# KiCad board polyPath.kicad_pcb (continued)
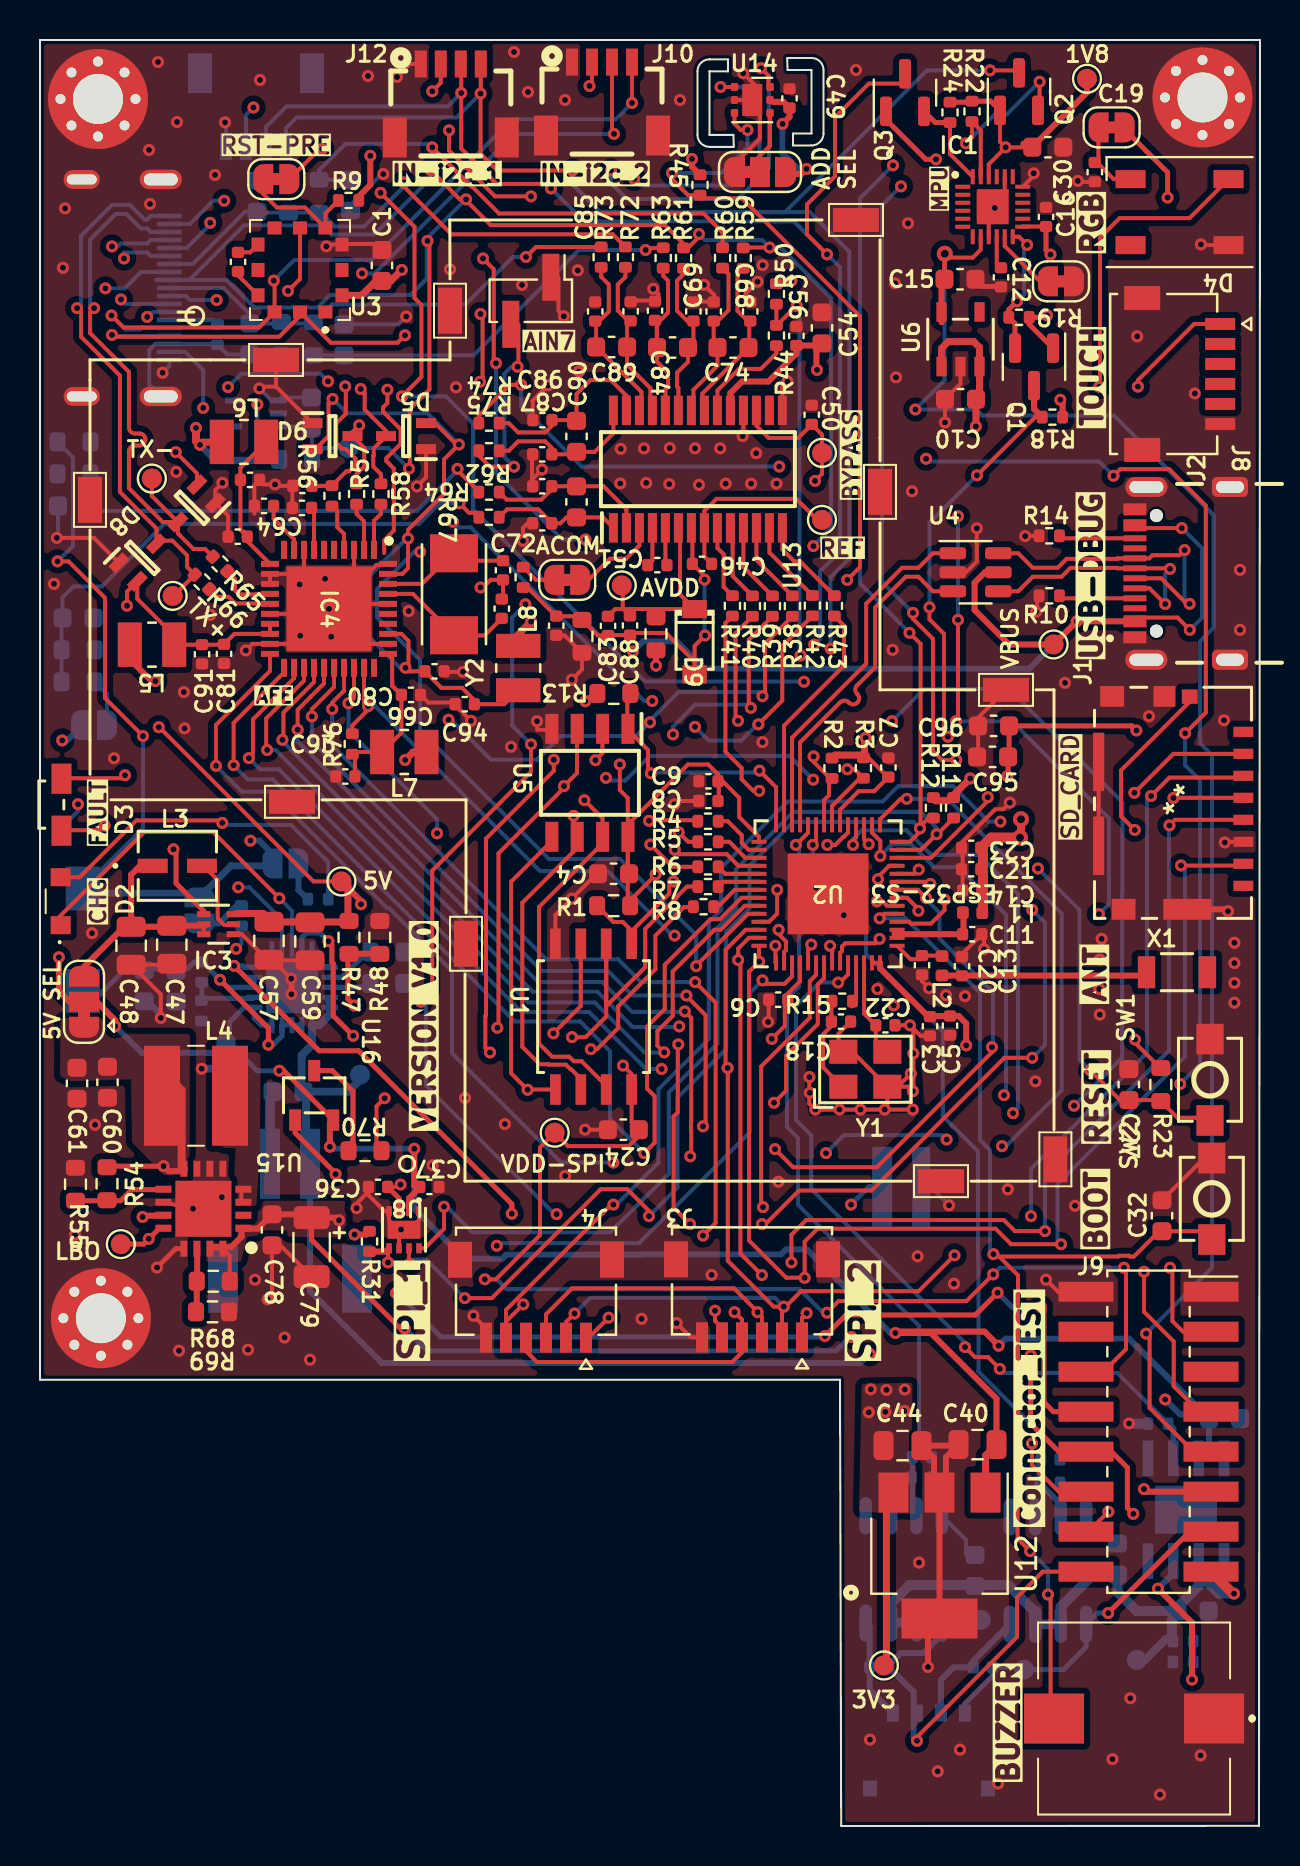
[diagram p0: board, top side]
## Routing (per net, layer and track width the routed paths; a pad name or vN(x,y) marks a point on that pad's centre or on a via; arc(x,y) is an arc through that point) (continued)
  Bottom w0.2: v1(32.81,43) 32.81,44.55 29,48.36 25.44,48.36 19,54.8 19,58.3 16.85,60.45 16.85,61.86 18.71,63.72 v1(19.01,63.72)
/GPIO-ICM-INT_1.8V: length 6.6
  Top w0.2: v1(49.36,79.07) 48.95,79.48 IC1.12
  Top w0.25: Q1.2 48.75,75.14 R19.2 48.44,75.84 v1(48.85,76.25)
  Bottom w0.2: v1(48.85,76.25) 49.2,76.6 49.2,78.92 v1(49.36,79.07)
/GPIO-INT-ICM: length 35.1
  Top w0.2: v1(41.98,44.37) 41.76,44.15 40.26,44.15 40.1,43.98 40.1,43.77 40,43.67 U2.51 ; v1(45.39,54.47) 45.2,54.67 45.2,59.62 44.47,60.34 v1(44.47,60.94) ; R18.2 49.76,70.46 v1(46.85,67.55)
  Top w0.3: R18.2 49.7,70.87 Q1.3
  In2.Cu w0.2: v1(45.39,54.47) 45,54.08 45,51.87 43.41,50.28 43.41,46 43.39,45.99 43.39,45.75 42.01,44.37 v1(41.98,44.37)
  Bottom w0.2: v1(46.85,67.55) 44.47,65.17 v1(44.47,60.94)
/GPIO-LED_ALM: length 46.9
  Top w0.2: IC4.22 12.7,57.4 10.65,55.34 10.65,53.61 v1(10.44,53.41) ; U2.49 39.2,42.4 38.89,42.09 38.89,40.11 37.3,38.52 37.3,36.77 v1(36.7,36.17)
  In2.Cu w0.2: v1(31.08,37.86) 32.59,36.35 36.52,36.35 v1(36.7,36.17)
  Bottom w0.2: v1(10.44,53.41) 11,52.85 11.94,52.85 24.08,40.71 27.46,40.71 30.31,37.86 v1(31.08,37.86)
/GPIO-motor: length 40
  Top w0.2: v1(38.64,49.07) 38.8,49.23 U2.23
  Bottom w0.2: 49.98,18.24 50.2,18.46 50.2,19.45 46.92,22.73 46.92,28.48 46.9,28.5 46.9,33.75 45.14,35.51 45.14,39.75 41.3,43.59 41.3,45.86 38.64,48.52 v1(38.64,49.07)
  Bottom w0.3: 49.98,18.24 49.98,17.26 49.96,17.24 49.96,17.17 51.03,16.09 U9.7
/GPIO-PD_ALM: length 41.2
  Top w0.2: IC4.23 13.2,57.28 11.31,55.39 11.31,53.86 v1(11.36,53.81) ; v1(31.21,38.69) 30.87,39.03 30.87,39.75 31.64,40.52 31.64,42.74 33.72,44.82 34.04,44.82 35.24,46.02 U2.37
  Bottom w0.2: v1(31.21,38.69) 30.23,38.69 27.73,41.19 24.4,41.19 11.78,53.81 v1(11.36,53.81)
/GPIO-RESET-PRESSURE : length 6.2
  Top w0.2: JP1.2 11.17,81.62 11.84,80.94 13.25,80.94 U3.9 14.27,80.65 R9.1
/GPIO-sensor: length 2.5
  Bottom w0.2: R53.1 8.65,75.32 HDMI1.14
/GPIO-SPI3-CS1-AFE: length 82.6
  Top w0.2: v1(32.76,42.2) 33.78,41.18 33.78,30.16 v1(33.15,29.53) ; U2.15 42,50.34 43.03,51.37 v1(43.34,51.37) ; IC4.27 15.2,56.78 14.61,56.19 v1(14.61,55.86)
  In2.Cu w0.2: v1(48.1,34) 46.4,32.3 40.37,32.3 38.53,30.46 37.43,30.46 36.32,29.35 33.33,29.35 v1(33.15,29.53)
  Bottom w0.2: v1(48.1,34) 48.3,34 51.08,36.78 51.08,45.64 45.93,50.79 45.93,50.81 45.37,51.37 v1(43.34,51.37) ; v1(32.76,42.2) 30.06,42.2 28.91,43.35 25.3,43.35 14.61,54.04 v1(14.61,55.86)
/GPIO-Touch1: length 35.6
  Top w0.2: J8.1 57.71,75.12 54.89,72.3 v1(54.89,71.99) ; v1(47.39,51.45) 47.39,51.26 44.55,48.42 U2.12
  In2.Cu w0.2: v1(47.39,51.45) 47.39,58.28 46.85,58.82 46.85,63.65 54.89,71.69 v1(54.89,71.99)
/GPIO-valve: length 38.1
  Top w0.2: U2.24 38.4,49.67 v1(37.79,49.07)
  Bottom w0.2: v1(37.79,49.07) 37.95,48.91 37.95,41.98 37.35,41.38 37.35,34.96 37.9,34.41 37.9,31.07 43.95,25.02 43.95,18.77 C42.1
  Bottom w0.25: U10.7 43.62,15.72 C42.1
/GPIO_ALRT-Gauge: length 32.9
  Top w0.2: v1(36.12,42.29) 36.3,42.11 37.23,42.11 37.6,42.49 U2.45 ; v1(17.4,28.18) 17.4,28.84 U8.5
  Top w0.3: U8.5 17.28,28.72 R31.2
  In2.Cu w0.2: v1(17.4,28.18) 18.36,29.14 22.72,29.14 v1(22.84,29.02)
  Bottom w0.2: v1(22.84,29.02) 22.97,29.15 29.95,29.15 35.49,34.69 35.49,41.66 v1(36.12,42.29)
/IN7: length 10
  Top w0.2: v1(23.88,72.98) 23.92,73.02 23.92,75.09 ; R75.2 21.94,68.54 22.5,67.98 v1(23.7,67.98)
  Bottom w0.2: v1(23.7,67.98) 23.22,68.46 23.22,72.62 23.58,72.98 v1(23.88,72.98)
/IN+: length 26.3
  Top w0.2: R57.2 15.83,67.6 16.21,67.99 16.21,68.69 16.24,68.72 16.24,68.9 D6.3 ; 15.63,69.72 v1(15.96,70.05)
  In2.Cu w0.2: v1(3.6,79) 12.76,79 16.68,75.07 16.68,71.43 15.96,70.71 v1(15.96,70.05)
  Bottom w0.2: HDMI1.4 5.53,79.32 5.36,79.15 4.03,79.15 3.88,79 v1(3.6,79)
/IN-: length 26.3
  Top w0.2: R58.2 17.05,67.6 16.66,67.99 16.66,68.52 16.69,68.55 16.69,68.9 D5.3 ; v1(16.03,71.87) 16.23,71.67 16.23,70.84 17.3,69.77
  In2.Cu w0.2: v1(16.03,71.87) 16.24,72.07 16.24,74.86 16.23,74.87 16.23,74.88 14.87,76.25 arc(14.66,76.34) 14.44,76.25 14.16,75.97 arc(13.95,75.88) 13.74,75.97 arc(13.65,76.18) 13.74,76.39 14.02,76.67 arc(14.11,76.88) 14.02,77.1 12.57,78.55 4.35,78.55 v1(4.2,78.39)
  Bottom w0.2: HDMI1.6 5.53,78.52 5.36,78.7 4.22,78.7 4.2,78.68 v1(4.2,78.39)
/IO0_BOOT: length 56.6
  Top w0.2: v1(41.98,45.39) 42.21,45.62 U2.5 ; v1(49.51,13.74) 48.88,14.37 48.88,19.38 48.9,19.4 48.9,27.54 47.84,28.6 v1(47.67,28.6) 47.79,28.48 53.91,28.48 53.95,28.52 54.45,28.52 54.49,28.48 54.7,28.48 55.96,29.75 58.18,29.75 ; 50.25,5.42 50.53,5.7 50.53,11.45 v1(50.4,11.58)
  Bottom w0.2: v1(49.51,13.74) 50.4,12.85 v1(50.4,11.58) ; v1(41.98,45.39) 43.28,45.39 47,41.67 47,34.3 47.5,33.8 47.5,28.77 v1(47.67,28.6)
/IO8_SDA1: length 159.1
  Top w0.2: U8.8 19.23,28.89 20.2,29.86 v1(20.2,30.97) ; v1(28.7,84.62) 28.6,84.72 J10.3 ; R11.2 44.87,49.6 v1(44.83,49.6) 44.05,48.82 U2.13 ; v1(18.25,74.55) 17.88,74.18 14.54,74.18 U3.2 13,75.52 11.96,74.48 3.69,74.48 v1(3.6,74.57) ; v1(36.05,87.91) 36.41,87.55 36.41,87.06 36.59,86.88 ; v1(45.82,53.31) 45.1,53.31 44.65,53.76 44.65,59.37 43.65,60.37 v1(43.65,60.67)
  In2.Cu w0.2: v1(45.82,53.31) 45.82,50.42 45,49.6 v1(44.83,49.6) ; v1(18.25,74.55) 17.65,75.15 17.65,75.49 16.1,77.04 v1(16.1,77.65) ; v1(28.7,84.62) 28.7,84.62 28.7,82.94 v1(28.55,82.8) 28.55,82.05 29.77,80.83 41.88,80.83 v1(43.05,82)
  Bottom w0.2: v1(44.83,49.6) 44.83,49.91 44.02,50.72 37.67,50.72 34.81,47.86 34.81,45.85 33.87,44.91 33.87,39.12 31.44,36.69 31.44,32.62 28.51,29.69 21.62,29.69 20.34,30.97 v1(20.2,30.97) ; v1(28.7,84.62) 23.71,84.62 16.74,77.65 v1(16.1,77.65) ; v1(28.55,82.8) 28.55,82.16 29.34,81.37 34.89,81.37 36.45,82.93 36.45,87.51 v1(36.05,87.91) ; v1(3.6,74.57) 3.65,74.52 6.46,74.52 HDMI1.16 ; v1(43.05,82) 42.1,81.05 42.1,62.22 v1(43.65,60.67)
/IO9_SCL1: length 151
  Top w0.2: U8.7 18.45,28.17 v1(18.5,28.12) ; v1(34.03,86.97) 34.77,86.97 ; U2.14 43.49,49.22 44,49.73 v1(44,49.89) ; v1(44,49.89) 44,49.98 44.53,50.51 ; v1(44,49.89) 44.03,49.92 44.03,59.11 v1(43.47,59.67) ; v1(11.69,77.29) 11.73,77.25 U3.3 10.95,74.94 5.14,74.94 5.14,74.94 4.17,74.94 v1(3.58,75.55) ; v1(29.6,86.17) J10.4 ; v1(30.45,30.5) 30.45,30.76 29.36,31.85 28.04,31.85 22.59,26.4 v1(21.24,26.4)
  In2.Cu w0.2: v1(42.65,83.05) 40.99,81.39 30.69,81.39 v1(29.71,82.37) 29.71,82.61 29.6,82.72 v1(29.6,86.17)
  Bottom w0.2: v1(43.47,59.67) 41,62.14 41,81.4 v1(42.65,83.05) ; v1(18.5,28.12) 18.71,28.33 19.31,28.33 v1(21.24,26.4) ; v1(30.45,30.5) 31.88,31.93 31.88,36.42 34.31,38.85 34.31,44.72 35.47,45.88 35.47,48.02 37.67,50.22 43.67,50.22 v1(44,49.89) ; v1(11.69,77.29) 12.72,78.32 16.57,78.32 23.61,85.36 28.79,85.36 v1(29.6,86.17) ; HDMI1.15 5.1,74.92 5.03,74.84 4.28,74.84 v1(3.58,75.55) ; v1(29.71,82.37) 30.04,82.05 34.62,82.05 35.97,83.4 35.97,86.08 35.08,86.97 v1(34.03,86.97)
/IO10_VBAT: length 27.1
  Top w0.2: 21.8,65.67 21.45,65.67 v1(20.97,66.15)
  Bottom w0.2: R29.2 1.08,60.37 C31.1 1.12,61.44 1.67,62 3.1,62 6.22,65.12 18.95,65.12 19.98,66.15 v1(20.97,66.15)
/IO11_SPI3-MOSI: length 71
  Top w0.2: v1(33.15,34.99) 33.28,35.12 33.28,40.55 32.32,41.51 v1(32.32,41.53) ; v1(42.02,48.51) 42.02,49.26 41.6,49.67 U2.16 ; v1(13.59,55.49) 13.59,55.85 14.7,56.96 IC4.26
  In2.Cu w0.2: v1(48.2,36.55) 47.75,36.55 45.53,34.33 v1(45.33,34.33) ; v1(39.3,33.65) 37.9,33.65 36.45,35.1 33.26,35.1 v1(33.15,34.99)
  Bottom w0.2: v1(48.2,36.55) 48.3,36.65 48.3,45.57 45.92,47.95 44.71,47.95 43.56,49.1 42.61,49.1 v1(42.02,48.51) ; v1(45.33,34.33) 45.11,34.55 40.2,34.55 v1(39.3,33.65) ; v1(32.32,41.53) 29.63,41.53 28.41,42.76 25.08,42.76 13.59,54.24 v1(13.59,55.49)
/IO12_SPI3-CLK: length 50.5
  Top w0.2: v1(41.43,49.1) 41.2,49.33 U2.17 ; v1(12.12,54.32) 12.17,54.37 12.17,55.68 13.7,57.21 IC4.24
  In2.Cu w0.2: v1(31.96,39.99) 31.96,39.89 32.71,39.14 32.71,37.97 33.35,37.33 34.11,37.33 34.13,37.31 34.92,37.31 35.31,37.7 35.31,40.21 37.86,42.76 37.86,44.27 41.23,47.64 41.23,48.9 v1(41.43,49.1)
  Bottom w0.2: v1(31.96,39.99) 31.93,39.95 29.64,39.95 27.87,41.72 24.64,41.72 12.12,54.24 v1(12.12,54.32)
/IO13_SPI3-MISO: length 76.3
  Top w0.2: v1(32.24,40.74) 32.56,40.42 32.56,35.25 32.55,35.24 32.55,34.74 32.56,34.73 32.56,33.54 v1(32.51,33.49) ; v1(40.65,49.07) 40.65,49.29 40.8,49.44 U2.18 ; v1(12.88,54.83) 12.88,55.82 13.54,56.48 13.54,56.48 14.08,57.02 14.08,57.02 14.2,57.14 IC4.25
  In2.Cu w0.2: v1(48.65,35.65) 48.65,35.47 46.18,33 33,33 v1(32.51,33.49)
  Bottom w0.2: v1(40.65,49.07) 40.65,49.36 41.09,49.8 43.33,49.8 44.56,48.57 46.94,48.57 48.9,46.61 48.9,35.9 v1(48.65,35.65) ; v1(32.24,40.74) 32.22,40.72 29.61,40.72 28.12,42.2 24.92,42.2 12.88,54.24 v1(12.88,54.83)
/IO15_SCL2: length 82.9
  Top w0.2: Q2.3 48.82,87.8 v1(47.5,87.8) ; U2.21 39.6,51.01 40.93,52.34 41.23,52.34 ; v1(26.62,82.8) 22.86,82.8 22.03,83.63 v1(22.03,86.64) 22.04,86.65 J12.4 ; v1(40.37,52.85) 40.72,52.85 R3.2
  In2.Cu w0.2: v1(39.53,58.88) 40.37,58.05 v1(40.37,52.85)
  Bottom w0.2: v1(26.62,82.8) 26.62,82.11 28.02,80.71 36.45,80.71 ; v1(39.53,58.88) 39.53,58.88 39.53,62.46 40.47,63.4 40.47,78.73 38.49,80.71 36.45,80.71 ; J11.4 12.3,84.91 12.84,85.45 20.84,85.45 v1(22.03,86.64) ; 36.45,80.71 37.26,80.71 44.35,87.8 v1(47.5,87.8)
/IO16_SDA2: length 81.6
  Top w0.2: v1(38.68,53.49) 38.68,53.22 39.51,52.39 R2.2 39.45,52.24 39.45,51.55 39.2,51.3 U2.22 ; v1(39.35,78.6) 38.35,79.6 38.35,81.1 39.75,82.5 39.75,85.45 41.44,87.14 43.3,87.14 ; v1(25.55,81.9) 25.32,82.12 22.84,82.12 21.06,83.9 v1(21.06,86.67) 21.06,88.31 21.1,88.35
  In2.Cu w0.2: v1(38.71,59.08) 38.93,58.86 38.93,53.74 v1(38.68,53.49)
  Bottom w0.2: 36.76,80.25 27.2,80.25 v1(25.55,81.9) ; 36.76,80.25 37.7,80.25 ; 36.76,80.25 36.76,80.25 37.7,80.25 ; 11.3,84.3 11.3,84.97 12.33,86 20.39,86 v1(21.06,86.67) ; 37.7,80.25 40,77.95 40,63.75 39,62.75 39,59.37 v1(38.71,59.08) ; 37.7,80.25 v1(39.35,78.6)
/IO33_VUSB: length 24.1
  Top w0.2: 21.8,66.87 20.88,67.8 v1(20.88,67.87)
  Bottom w0.2: v1(20.88,67.87) 20.88,67.8 18.85,65.77 2.7,65.77 C28.1 2.53,66.09 R25.2
/IO35_SPI2-MOSI: length 149.2
  Top w0.2: 26.3,24.12 26.3,25.2 v1(26.73,25.63) ; v1(55.55,51.51) 56.47,52.43 60.13,52.43 ; v1(37.19,25.97) 36.68,25.97 34.39,28.27 34.39,37.9 v1(34.38,37.91) 34.28,38.01 34.28,43.82 35.28,44.82 U2.40 ; v1(37.19,25.97) 37.1,25.88 J3.2 ; v1(37.19,25.97) 37.28,25.97 38.05,26.75 43.93,26.75 v1(45.72,28.54) ; v1(36.12,56.5) 36.25,56.63 36.25,59.13 R38.1
  In2.Cu w0.2: v1(20.43,55.32) 19.51,55.32 16.53,58.3 16.53,63.16 11.7,67.99 11.7,73.45 v1(8.83,76.32) ; v1(49.55,30.5) 46.82,30.5 45.72,29.4 v1(45.72,28.54) ; v1(30.5,55.2) 30.95,54.75 30.95,53.09 33.66,50.38 33.66,38.63 v1(34.38,37.91)
  Bottom w0.2: v1(49.55,30.5) 49.55,32.87 55.35,38.67 55.35,51.31 v1(55.55,51.51) ; v1(20.43,55.32) 20.55,55.32 22.55,53.33 24.85,53.33 26.03,54.51 29.81,54.51 v1(30.5,55.2) 30.5,55.29 31.92,56.71 35.92,56.71 v1(36.12,56.5) ; v1(8.83,76.32) 7.49,76.32 7.29,76.52 HDMI1.11 ; v1(26.73,25.63) 27.51,26.41 36.75,26.41 v1(37.19,25.97)
/IO36_SPI2-CLK: length 145.7
  Top w0.2: v1(22.15,78.4) 22.69,77.86 22.69,73.27 v1(22.8,73.15) ; v1(36.09,27.55) 35.02,28.63 35.02,43.2 v1(34.91,43.31) 34.91,43.88 35.45,44.42 U2.41 ; R39.1 35.44,59.32 35.44,56.02 v1(35.54,55.92) ; v1(37.57,28.18) 37.57,29.57 38.31,30.3 48.2,30.3 48.75,29.75 v1(50.25,29.75) ; 24.3,24.12 24.3,23.75 24.85,23.21 34.62,23.21 35.1,23.69 J3.4 35.1,25.33 v1(34.73,25.7) ; v1(56.47,50.04) 56.75,50.32 60.04,50.32 60.13,50.23
  In2.Cu w0.2: v1(34.73,25.7) 34.73,26.19 v1(36.09,27.55) 36.72,28.18 v1(37.57,28.18) ; v1(34.91,43.31) 34.29,43.93 34.29,50.82 31.65,53.46 v1(31.65,54.59) ; v1(22.15,78.4) 20.29,80.25 8.58,80.25 v1(8.51,80.18) 8.41,80.08 ; v1(35.54,55.92) 35.54,56.1 27.3,64.34 v1(27.27,64.34)
  Bottom w0.2: v1(8.51,80.18) 8.51,80.1 7.33,78.92 HDMI1.5 ; v1(22.8,73.15) 22.8,67.66 26.12,64.34 v1(27.27,64.34) ; v1(31.65,54.59) 31.65,54.98 32.75,56.08 35.38,56.08 v1(35.54,55.92) ; v1(56.47,50.04) 56.45,50.02 56.45,38.78 50.25,32.58 v1(50.25,29.75)
/IO37_SPI2-MISO: length 147.5
  Top w0.2: v1(51.05,29.1) 48.55,29.1 47.78,29.87 38.88,29.87 38.23,29.23 v1(38.23,27.41) 38.22,27.42 37.31,27.42 35.45,29.28 35.45,42.72 v1(35.96,43.23) 35.95,43.24 U2.42 ; J3.3 36.1,25.47 35.77,25.81 35.77,25.83 34.7,26.89 26.6,26.89 25.3,25.59 25.3,24.12 ; R42.2 37.11,59.01 37.11,56.29 v1(35.92,55.09) ; v1(57.05,48.04) 57.06,48.03 59.89,48.03
  In2.Cu w0.2: v1(35.96,43.23) 35.75,43.44 35.75,43.55 34.83,44.47 34.83,51.35 32.75,53.43 v1(32.75,54.97) 32.2,54.97 30.91,56.26 v1(30.61,56.26) ; v1(20.65,65.22) 16.48,65.22 13.29,68.41 13.29,71.15 v1(14.4,72.25) ; v1(35.88,25.7) 35.88,25.85 37.44,27.41 v1(38.23,27.41) ; v1(9.4,71.96) 9.51,72.07 9.51,74.42 6.92,77.01 3.38,77.01 v1(3.27,76.9)
  Bottom w0.2: v1(9.4,71.96) 10.07,72.63 14.02,72.63 v1(14.4,72.25) ; v1(30.61,56.26) 30.22,56.26 21.53,64.95 20.92,64.95 v1(20.65,65.22) ; v1(35.92,55.09) 35.87,55.09 35.06,54.28 33.44,54.28 v1(32.75,54.97) ; v1(3.27,76.9) 4.24,76.9 5.06,77.72 HDMI1.8 ; v1(51.05,29.1) 50.88,29.27 50.88,32.11 57.25,38.48 57.25,47.84 v1(57.05,48.04)
/LBO: length 71.8
  Top w0.25: U16.1 12.76,34.66 14.78,32.64 v1(14.78,32.6) ; v1(39.25,24.5) 40.3,25.55 46.76,25.55 v1(47.88,26.67) ; TP12.1 5.18,29.1 v1(5.44,29.36) 5.95,29.88 6.29,29.88 ; J9.8 50.67,20.72 50.19,21.2 50.19,25.81 v1(50.05,25.95)
  In2.Cu w0.25: v1(17.8,26.65) 15.94,28.51 6.88,28.51 6.03,29.36 v1(5.44,29.36) 6,29.92 8.9,29.92 11.5,32.52 14.7,32.52 v1(14.78,32.6)
  Bottom w0.25: v1(17.8,26.65) 17.86,26.65 20.05,24.46 39.21,24.46 v1(39.25,24.5) ; v1(47.88,26.67) 48.6,25.95 v1(50.05,25.95)
/LD02-EN: length 38
  Top w0.2: U2.52 40.4,42.59 39.99,42.18 v1(39.91,42.18) ; v1(47.99,22.86) 47.4,23.45 46.75,23.45 v1(46.25,23.95)
  Bottom w0.2: v1(39.91,42.18) 38.98,42.18 37.8,41 37.8,35.31 38.56,34.55 38.56,31.86 46.25,24.17 v1(46.25,23.95) ; R35.1 53.87,22.66 48.19,22.66 v1(47.99,22.86)
  Bottom w0.3: U11.2 56.66,19.86 R35.1
/LED_DRV_SUP: length 21.9
  Top w0.2: D8.2 7.85,67.65 v1(6.79,68.71) ; IC4.17 IC4.18 9.72,59.62 C81.2 9.18,59.08 L5.1 6.71,59.53 4.87,61.37 D10.2 4.35,61.73 v1(4.35,61.03)
  In2.Cu w0.2: v1(4.35,61.03) 4.3,61.08 4.3,66.55 6.46,68.71 v1(6.79,68.71)
/LNA_IN: length 2.4
  Top w0.2: C13.2 45.07,43.53 L2.1 ; 44,43.37 43.98,43.35 43.52,43.35 U2.1
/N+: length 2.4
  Top w0.2: R57.1 15.83,65.62 16.2,65.25 IC4.2
/N-: length 2.4
  Top w0.2: R58.1 17.05,65.62 16.7,65.28 IC4.1
/NTC0: length 26.7
  Top w0.2: v1(18.19,82.2) 18.19,81.99 20.58,79.6 28.64,79.6 R72.2
  Bottom w0.2: HDMI1.7 7.64,78.12 10.25,80.73 C58.1 10.9,80.68 R52.1 R51.2 14.18,80.45 14.28,80.45 14.74,79.99 16.19,79.99 18.19,81.99 v1(18.19,82.2)
/NTC0F: length 25.4
  Top w0.2: 34.11,78.91 R60.2 34.13,79.69 33.18,80.64 22.96,80.64 21.6,82 21.56,82 v1(19.61,83.95)
  Bottom w0.2: C53.1 R51.1 13.95,82.81 15.27,84.13 19.44,84.13 v1(19.61,83.95)
/NTC1: length 24.2
  Top w0.2: v1(24.3,78.47) 24.79,78.96 28.05,78.96 R73.2
  Bottom w0.2: 12.07,75.36 R49.1 ; v1(24.3,78.47) 23.65,78.47 21.28,76.09 14.6,76.09 13.99,75.48 13.96,75.48 R46.2 ; HDMI1.10 9.17,76.92 10.49,75.59 C55.1 13.62,75.14
/NTC1F: length 19.9
  Top w0.2: v1(30.28,78.82) 30.37,78.91 31.32,78.91
  Bottom w0.2: 13.47,73.72 13.49,73.7 ; R46.1 15.2,73.55 ; v1(30.28,78.82) 26.95,78.82 21.68,73.55 C52.1
/RESET: length 26.7
  Top w0.2: 58.5,35.42 56.88,35.42 R23.2 55.99,36.31 54,36.31 v1(52.51,37.8) ; U2.4 43.46,45.22 43.55,45.13 44.55,45.13 45.23,45.81 v1(45.23,46.33)
  In2.Cu w0.2: v1(49.9,47.89) 48.46,46.45 45.35,46.45 v1(45.23,46.33)
  Bottom w0.2: v1(49.9,47.89) 51.97,45.81 51.97,38.33 v1(52.51,37.8)
/RX_ANA_SUP: length 38.7
  Top w0.2: IC4.39 18.12,62.62 18.4,62.9 v1(18.4,64.39) 18.4,64.82 20.2,66.62 20.2,68.35 v1(20.94,69.09) 20.82,69.09 19.75,70.16 D5.2 ; IC4.33 18.07,59.62 18.43,59.27 18.43,58.07 v1(18.28,57.92) 18.45,57.75 C66.2 20.07,56.92 21.1,56.92 21.72,56.3 C94.2 23.21,56.1 L8.1 ; D6.2 13.77,68.86 14.43,69.52 14.43,71.17 v1(14.63,71.37) ; 23.7,56.4 23.7,56.67
  Bottom w0.2: v1(18.28,57.92) 18.01,57.92 16.25,59.68 16.25,62.31 18.34,64.39 v1(18.4,64.39) ; v1(20.94,69.09) 19.38,70.65 15.35,70.65 v1(14.63,71.37)
/RX_DIG_SUP: length 9
  Top w0.2: 17.61,57.32 17.61,57.03 C80.2 ; 17.61,57.32 17.61,57.03 18.07,56.56 18.07,54.67 L7.1 15.73,53.71 R76.1 ; 17.61,57.32 17.61,58.41 IC4.31 ; C93.2 15.75,53.47
/SCK/SCL_1.8V: length 11
  Top w0.2: v1(49.98,87.23) 49.98,85.88 Q2.2 ; 47.04,82.95 IC1.23 47.04,84.8 R22.2 46.6,84.45 v1(46.3,84.15)
  Bottom w0.2: v1(46.3,84.15) 47.75,85.6 48.35,85.6 v1(49.98,87.23)
/SDI/SDA_1.8V: length 4.7
  Top w0.2: R24.2 45.5,83.62 IC1.24
  Top w0.25: Q3.2 44.76,85.19 R24.2
/SPI2-CS2-SD: length 20
  Top w0.2: J1.P2 56.67,53.62 v1(54.72,51.67) ; U2.9 44.41,47.22 v1(44.52,47.12)
  In2.Cu w0.2: v1(54.72,51.67) 51.58,48.53 46.51,48.53 45.1,47.12 v1(44.52,47.12)
/SPI2-CS3-ADS: length 18.8
  Top w0.2: U2.44 37.2,43.71 37.3,43.8 37.3,44.24 36.93,44.61 v1(36.93,44.82) 36.93,44.79 ; R40.2 34.78,59.66 34.78,55.39 v1(34.9,55.27)
  In2.Cu w0.2: v1(34.9,55.27) 35.23,54.94 35.23,46.52 v1(36.93,44.82)
/SPI2-CS4-CONN: length 64.5
  Top w0.2: J4.5 23.3,25.23 v1(24.16,26.09) ; U2.10 43.73,47.62 v1(43.94,47.83) ; v1(28.67,31.08) 28.57,31.08 23.3,25.81 23.3,24.12 ; v1(33.75,25.77) 33.75,25.26 34.1,24.91 J3.5 ; 34.1,24.59 34.17,24.65
  In2.Cu w0.2: v1(24.16,26.09) 24.39,26.32 33.2,26.32 v1(33.75,25.77) ; v1(43.94,47.83) 46.34,50.23 v1(48.02,50.23)
  Bottom w0.2: v1(28.67,31.08) 28.83,31.08 30.92,33.17 30.92,36.85 33.44,39.37 33.44,45.19 34.06,45.81 34.06,47.91 37.38,51.23 42.14,51.23 42.91,52 45.66,52 47.43,50.23 v1(48.02,50.23)
/SPI2-CS5-HDMI: length 65.8
  Top w0.2: v1(41.9,47.35) 41.9,47.46 42.46,48.02 U2.11 ; v1(17.03,81.67) 18.72,79.98 18.72,76.42 19.07,76.07 19.07,72.47 v1(18.1,71.5)
  In2.Cu w0.2: v1(9.21,81.28) 9.67,81.74 16.97,81.74 v1(17.03,81.67) ; v1(38.2,57.23) 38.05,57.08 38.05,51.93 39.77,50.22 41.73,50.22 42.62,49.33 42.62,48.07 v1(41.9,47.35)
  Bottom w0.2: v1(9.21,81.28) 8.66,81.28 7.5,80.12 HDMI1.2 ; v1(38.2,57.23) 38.19,57.24 30.25,57.24 21.66,65.83 21.66,70.13 20.29,71.5 v1(18.1,71.5)
/SPICLK: length 24
  Top w0.2: R6.1 31.63,47.97 v1(30.52,49.09) ; U1.6 27.04,37.36 26.56,37.85 26.52,37.85 26.29,38.07 25.44,38.07 25.41,38.1 24.98,38.1 24.11,38.97 24.11,46.17 26.68,48.74 v1(26.68,50.52)
  In2.Cu w0.2: v1(30.52,49.09) 29.08,50.52 v1(26.68,50.52)
/SPICS0: length 13.4
  Top w0.2: v1(31.74,48.82) 31.96,48.6 34.34,48.6 34.92,48.02 U2.32 ; U1.1 29.58,44.77 29.14,45.21 28.67,45.21 R1.1 ; U1.1 29.58,44.53 ; U1.1 29.58,44.75 31.46,46.63 31.46,47.03 v1(31.67,47.24)
  In2.Cu w0.2: v1(31.67,47.24) 31.74,47.31 v1(31.74,48.82)
/SPICS1: length 13.2
  Top w0.2: U2.28 36.8,51.95 v1(35.97,52.78) ; 29.87,56.65 29.37,56.15 29.37,54.85 30.4,53.81 30.4,52.79 v1(30.55,52.64)
  Bottom w0.2: v1(30.55,52.64) 30.58,52.68 35.87,52.68 v1(35.97,52.78)
/SPID: length 29.1
  Top w0.2: 25.58,49.42 25.58,49.25 23.56,47.23 23.56,37.64 v1(24.38,36.82) 24.39,36.83 U1.5 ; v1(27.54,38.85) 27.85,38.85 28.91,39.91 28.91,40.99 30.77,42.85 30.77,44.53 32.19,45.95 32.85,45.95
  In2.Cu w0.2: v1(24.38,36.82) 25.6,36.82 27.54,38.76 v1(27.54,38.85)
/SPIHD: length 24.3
  Top w0.2: v1(30.45,50.27) 30.48,50.3 32.84,50.3 R4.1 ; U1.7 28.31,37.02 27.08,38.25 26.69,38.25 26.46,38.47 25.61,38.47 24.95,39.13 24.95,45.96 28.13,49.14 U5.7 28.13,50.39 v1(27.22,51.3)
  In2.Cu w0.2: 30.4,50.32 30.15,50.32 29.36,51.11 27.41,51.11 v1(27.22,51.3)
/SPIQ: length 42.5
  Top w0.2: v1(22.5,38.68) 22.27,38.92 22.27,40.52 22.3,40.55 22.3,49.38 25.69,52.77 v1(25.69,53.32) ; v1(26.6,39.45) 27.28,39.45 28.31,40.48 U1.2 ; 28.31,43.47 U1.2 ; U1.2 28.31,41 30.26,42.95 30.26,44.86 31.86,46.46 31.86,46.49 32.35,46.98 32.9,46.98 ; v1(27.77,53.3) 28.12,53.65 28.12,55.23
  In2.Cu w0.2: v1(27.77,53.3) 25.71,53.3 ; v1(26.6,39.45) 25.77,38.62 22.56,38.62 v1(22.5,38.68)
  Bottom w0.2: 25.71,53.3 v1(25.69,53.32)
/SPIWP: length 32.5
  Top w0.2: v1(22.87,39.92) 22.93,39.98 22.93,48.64 26.12,51.84 26.12,51.93 26.85,52.66 26.85,54.82 ; v1(25.67,39.64) 27.04,41.01 U1.3 ; v1(31.93,49.7) 32.41,49.22 R5.1
  In2.Cu w0.2: v1(31.93,49.7) 31.93,49.94 30.2,51.67 28.17,51.67 27.83,52.01 v1(26.2,52.01) ; v1(22.87,39.92) 23.15,39.64 v1(25.67,39.64)
/T+: length 2.9
  Top w0.2: IC4.14 10.82,61.62 ; 10.8,61.59 9.94,61.59 9.75,61.79 9.75,62.37 R65.2
/T-: length 3.3
  Top w0.2: R66.2 8.85,61.47 9.43,61.47 9.76,61.14 10.8,61.14 ; IC4.15 10.82,61.12
/TVM: length 17.4
  Top w0.25: J9.13 57.48,14.72 v1(53.41,10.65)
  Bottom w0.25: J6.1 46.25,6.12 47.62,7.5 C34.2 49.08,7.94 TP4.1 51.17,7.82 52.31,8.95 U9.1 52.86,10.65 v1(53.41,10.65)
/TVV: length 22.8
  Top w0.2: v1(43.85,4.26) 43.85,4.45 48.85,9.45 48.85,11.43 50.14,12.72 J9.16
  Bottom w0.3: 46.75,10.25 46.07,9.58 45.09,9.58 44.17,8.65 43.04,8.65 42.44,8.05 C33.2 43.68,6.7 43.68,4.43 v1(43.85,4.26)
/TX+: length 27.1
  Top w0.2: TP15.1 6.68,61.52 R66.1 7.36,62.96 7.36,63.55 6.62,64.28 5.97,64.28 D10.3 5.82,64.89 4,66.72 4,72.54 2.05,74.48 2.05,75.71 v1(1.86,75.91)
  Bottom w0.2: v1(1.86,75.91) 2.05,76.11 2.06,79.52 3.6,81.07 4.5,81.07 5.22,80.34 5.36,80.34 5.53,80.52 HDMI1.1
/TX-: length 28.1
  Top w0.2: D8.3 6.14,65.21 4.44,66.91 4.44,68.74 arc(4.53,68.95) 4.75,69.04 4.97,69.04 arc(5.18,69.13) 5.27,69.34 arc(5.18,69.55) 4.97,69.64 4.75,69.64 arc(4.53,69.73) 4.44,69.94 4.44,72.72 2.51,74.66 2.51,75.71 v1(2.7,75.91) ; D8.3 6.89,64.65 7.67,63.86 8.26,63.86 R65.1 ; D8.3 5.59,66.51 TP14.1
  Bottom w0.2: v1(2.7,75.91) 2.51,76.11 2.5,79.34 3.79,80.62 4.31,80.62 5.04,79.9 5.36,79.9 5.53,79.72 HDMI1.3
/TX_CTRL_SUP: length 7.3
  Top w0.2: L6.1 10.02,67.93 C92.2 10.02,64.83 C65.2 10.37,64.25 IC4.11 ; 10.2,64.7 10.2,64.73
/USB-C-_D+: length 16
  Top w0.2: U4.6 48.91,63.65 49.63,62.93 50.89,62.93 51.33,63.37 53.86,63.37 53.88,63.4 J2.B6 55.47,63.4 55.62,63.55 56.97,63.55 v1(57.23,63.81) ; J2.A6 56.06,62.4 57.34,61.12 v1(57.48,61.12)
  Bottom w0.2: v1(57.23,63.81) 57.23,61.37 v1(57.48,61.12)
/USB-C-_D-: length 12.2
  Top w0.2: v1(56.26,61.11) 55.47,61.9 55.29,61.9 ; v1(56.5,62.87) 56.47,62.9 J2.A7 53.88,62.9 53.86,62.92 51.52,62.92 51.07,62.48 49.63,62.48 48.91,61.75 U4.4
  Bottom w0.2: v1(56.26,61.11) 56.26,62.63 v1(56.5,62.87)
/USB-VIN: length 108.5
  Top w0.2: v1(57.49,59.82) 56.88,60.43 54.93,60.43 J2.A4_B9 ; v1(5.15,54.51) 3.25,56.41 3.25,61.42 1.42,63.25 v1(0.88,63.25) ; v1(57.09,64.91) 55.28,64.91 55.14,65.05 J2.B4_A9
  Top w0.3: J2.A4_B9 v1(51.84,60.25) 5V1.1 48.45,59.09 46.73,60.81 46.73,62.18 47.25,62.7 U4.5
  In2.Cu w0.3: v1(10.52,49.28) 10.85,48.95 16.34,48.95 26.19,58.8 29.58,58.8 v1(29.65,58.74)
  Bottom w0.2: D1.2 5.15,49.9 v1(5.15,54.51) ; R25.1 1.65,68.44 1.65,64.02 v1(0.88,63.25) ; v1(57.49,59.82) 58.1,60.43 58.1,63.9 v1(57.09,64.91)
  Bottom w0.3: v1(51.84,60.25) 49.47,57.88 33.2,57.88 31.83,59.25 30.15,59.25 v1(29.65,58.74) ; v1(10.52,49.28) 10.97,49.28 11.62,48.62 JP3.1
  Bottom w0.35: 11.85,48.02 9.55,48.02 JP4.1 7.77,46.65 2.92,46.65 2.85,46.58
/usb_D+: length 18
  Top w0.2: U2.26 37.6,54.43 41.31,58.13 41.31,61.13 43.1,62.93 43.92,62.93 44.65,63.65 U4.1
/usb_D-: length 18
  Top w0.2: U4.3 44.65,61.75 43.92,62.48 43.29,62.48 41.76,60.94 41.76,57.95 40.85,57.04 arc(40.77,56.83) 40.85,56.62 40.87,56.6 arc(40.96,56.39) 40.87,56.18 arc(40.66,56.09) 40.44,56.18 40.43,56.19 arc(40.22,56.28) 40.01,56.19 38,54.19 U2.25
/V-BAT-OUT: length 117.4
  Top w0.25: U16.2 12.19,37.77 v1(11.97,37.77)
  Top w0.3: 18.85,31.89 18.9,31.84 ; 18.9,31.84 18.71,32.03 v1(18.71,33.87) ; 18.9,31.84 18.45,31.39 U8.2 ; U16.2 14.49,35.14 v1(14.49,33.97) ; v1(3.76,40) 3.76,40.3 2.84,41.22 JP7.2 1.48,41.22 0.94,41.76 v1(0.94,43.45) ; J9.11 55.33,16.72 v1(55.2,16.85) ; v1(47.93,24.02) 47.22,24.72 42.84,24.72 v1(42.77,24.66) 44.54,24.66 47.82,21.38 C40.1
  Top w0.35: 47.28,16.67 47.28,18.53 C40.1
  In2.Cu w0.3: v1(56.26,21.33) 56.47,21.12 56.47,18.12 v1(55.2,16.85) ; v1(1.11,54.29) 0.94,54.12 v1(0.94,43.45)
  Bottom w0.25: v1(11.97,37.77) 10.85,37.77 9.47,39.14 9.47,39.27 9.33,39.27 ; 9.47,39.47 9.47,40.2 10.22,40.95 U7.1 10.71,40.41 11.06,40.06 U7.20 11.53,39.98
  Bottom w0.3: 58.46,20.59 57,20.59 v1(56.26,21.33) ; 58.46,20.59 58.45,20.58 58.45,18.9 U11.3 ; 58.46,20.59 58.24,20.59 54.45,24.37 48.28,24.37 v1(47.93,24.02) ; v1(3.76,40) 5.09,38.67 8.88,38.67 C29.1 ; v1(42.77,24.66) 42.52,24.66 38.34,28.83 37.3,28.83 37.06,28.59 30.02,28.59 30,28.57 23.31,28.57 23.11,28.37 21.21,28.37 18.71,30.87 v1(18.71,33.87) 14.59,33.87 v1(14.49,33.97) ; 9.47,39.47 9.47,39.27 C29.1 ; v1(1.11,54.29) 1.36,54.29 2.13,55.06 ; C29.1 9.53,39.09 9.64,38.98
/VCM: length 2.4
  Top w0.2: R56.2 14.86,65.75 14.86,64.96 15.2,64.62 IC4.4
/VCM_SHIELD: length 55.5
  Top w0.2: 17.21,63.66 17.21,64.31 17.69,64.79 17.69,67.89 17.32,68.26 17.32,68.41 18.03,69.12 18.03,69.85 17.15,70.73 17.15,70.94 17.37,71.16 v1(17.37,71.83) ; C62.2 14.59,67.02 R56.1 15.32,67.75 15.45,67.75 15.78,68.08 15.78,68.37 15.28,68.87 15.11,68.87 14.81,69.17 14.81,70.15 15.29,70.63 15.29,71.97 v1(15.26,72)
  In2.Cu w0.2: v1(15.26,72) 15.26,72.28 15.83,72.85 15.83,74.63 14.73,75.73 14.47,75.47 13.66,75.47 13.24,75.89 13.24,77.13 12.32,78.05 4.81,78.05 4.51,77.75 3.4,77.75 3,78.15 3,79.24 3.38,79.62 4.97,79.62 5.14,79.45 12.87,79.45 17.22,75.1 17.22,71.98 v1(17.37,71.83)
/VLIPO: length 62.6
  Top w0.2: v1(49.6,19.13) 49.6,18.06 50.94,16.72 J9.12
  In2.Cu w0.2: v1(41.5,23.6) 41.74,23.36 45.94,23.36 49.6,19.7 v1(49.6,19.13)
  Bottom w0.3: v1(41.5,23.6) 41.46,23.6 41.01,23.15 17.09,23.15 13.5,26.75 J5.1
  Bottom w0.4: C26.1 13.3,36.59 13.3,33.68 ; C26.1 15.4,36.72 16.22,37.55 ; C26.1 13.09,36.81 13.09,38.55 13.6,39.06 U7.16 13.96,40.06 14.49,40.59 U7.15 14.49,41.25 14.45,41.29
/XTAL_N: length 2.3
  Top w0.2: 40.59,40.99 40.8,41.2 U2.53
/XTAL_P: length 5
  Top w0.2: 42.35,38.69 41.79,39.25 C22.2 41.2,40.63 U2.54
Net-(C18-Pad2): length 4.6
  Top w0.2: 39.57,40.99 39.57,40.01 39.16,39.59 39.16,37.94 40.16,36.94
Net-(C20-Pad2): length 10.3
  Top w0.3: 55.38,42.55 55.36,42.53 45.1,42.53 L2.2
Net-(D1-C): length 28.2
  Top w0.254: v1(11.42,39.07) 11.42,39.9 v1(9,42.32) ; v1(14.42,44.25) 14.59,44.08 14.59,43.2 14.66,43.14 14.66,40.52 v1(15.66,39.52)
  In2.Cu w0.254: v1(11.42,39.07) 11.48,39.01 15.15,39.01 v1(15.66,39.52)
  Bottom w0.254: v1(14.42,44.25) 14.01,44.66 13.32,44.66 13.1,44.44 U7.9 ; 2.85,41.44 4.27,42.86 6.37,42.86 6.38,42.87 7.36,42.87 7.7,43.2 8.11,43.2 v1(9,42.32) 9.37,41.95 U7.3 U7.4 ; U7.17 U7.19 12.1,39.51 11.66,39.07 v1(11.42,39.07)
Net-(D2-A): length 17.5
  Top w0.2: v1(9.11,50.17) 8.99,50.29 4.82,50.29 1.98,47.45 0.83,47.45
  Bottom w0.2: R27.2 14.41,48.21 12.55,50.06 9.22,50.06 v1(9.11,50.17)
  Bottom w0.3: 14.38,46.33 R27.2
Net-(D2-K): length 17.4
  Top w0.2: v1(11.97,46.4) 8.65,49.71 5.21,49.71 0.83,45.33 0.83,45.05
  Bottom w0.2: v1(11.97,46.4) 12.6,45.76 U7.8
Net-(D3-A): length 18.3
  Top w0.2: 0.95,52.4 4.1,52.4 v1(4.25,52.55)
  In2.Cu w0.2: v1(9.81,43.87) 7.53,43.87 2.6,48.8 2.6,50.9 v1(4.25,52.55)
  Bottom w0.2: v1(9.81,43.87) 10.08,44.13 R28.2
Net-(D3-K): length 14.7
  Top w0.2: 0.95,49.8 3,49.8 v1(3.23,50.03)
  In2.Cu w0.2: v1(3.23,50.03) 3.51,49.75 7.2,49.75 9.91,47.04 v1(9.91,46.94)
  Bottom w0.2: U7.7 12.1,45.31 10.47,46.94 v1(9.91,46.94)
Net-(D4-VDD): length 3.9
  Top w0.2: 52.92,84.86 52.92,83.37 C30.2 ; 52.86,83.18 53.68,82.36 D4.3 54.53,82.25
Net-(D7-A): length 28.5
  Top w0.2: v1(17.23,36.4) 16.82,35.99 16.82,33.62
  In2.Cu w0.2: v1(1.9,51.1) 1.9,46.99 12.49,36.4 v1(17.23,36.4)
  Bottom w0.2: 0.94,49.79 1.9,50.75 v1(1.9,51.1)
Net-(IC1-FSYNC): length 3.3
  Top w0.2: IC1.11 48.24,79.01 50,77.25 50.35,77.25
